# Altium PCB Thunderscope_Rev4.PCBDOC (part 1 of 7) (continued)
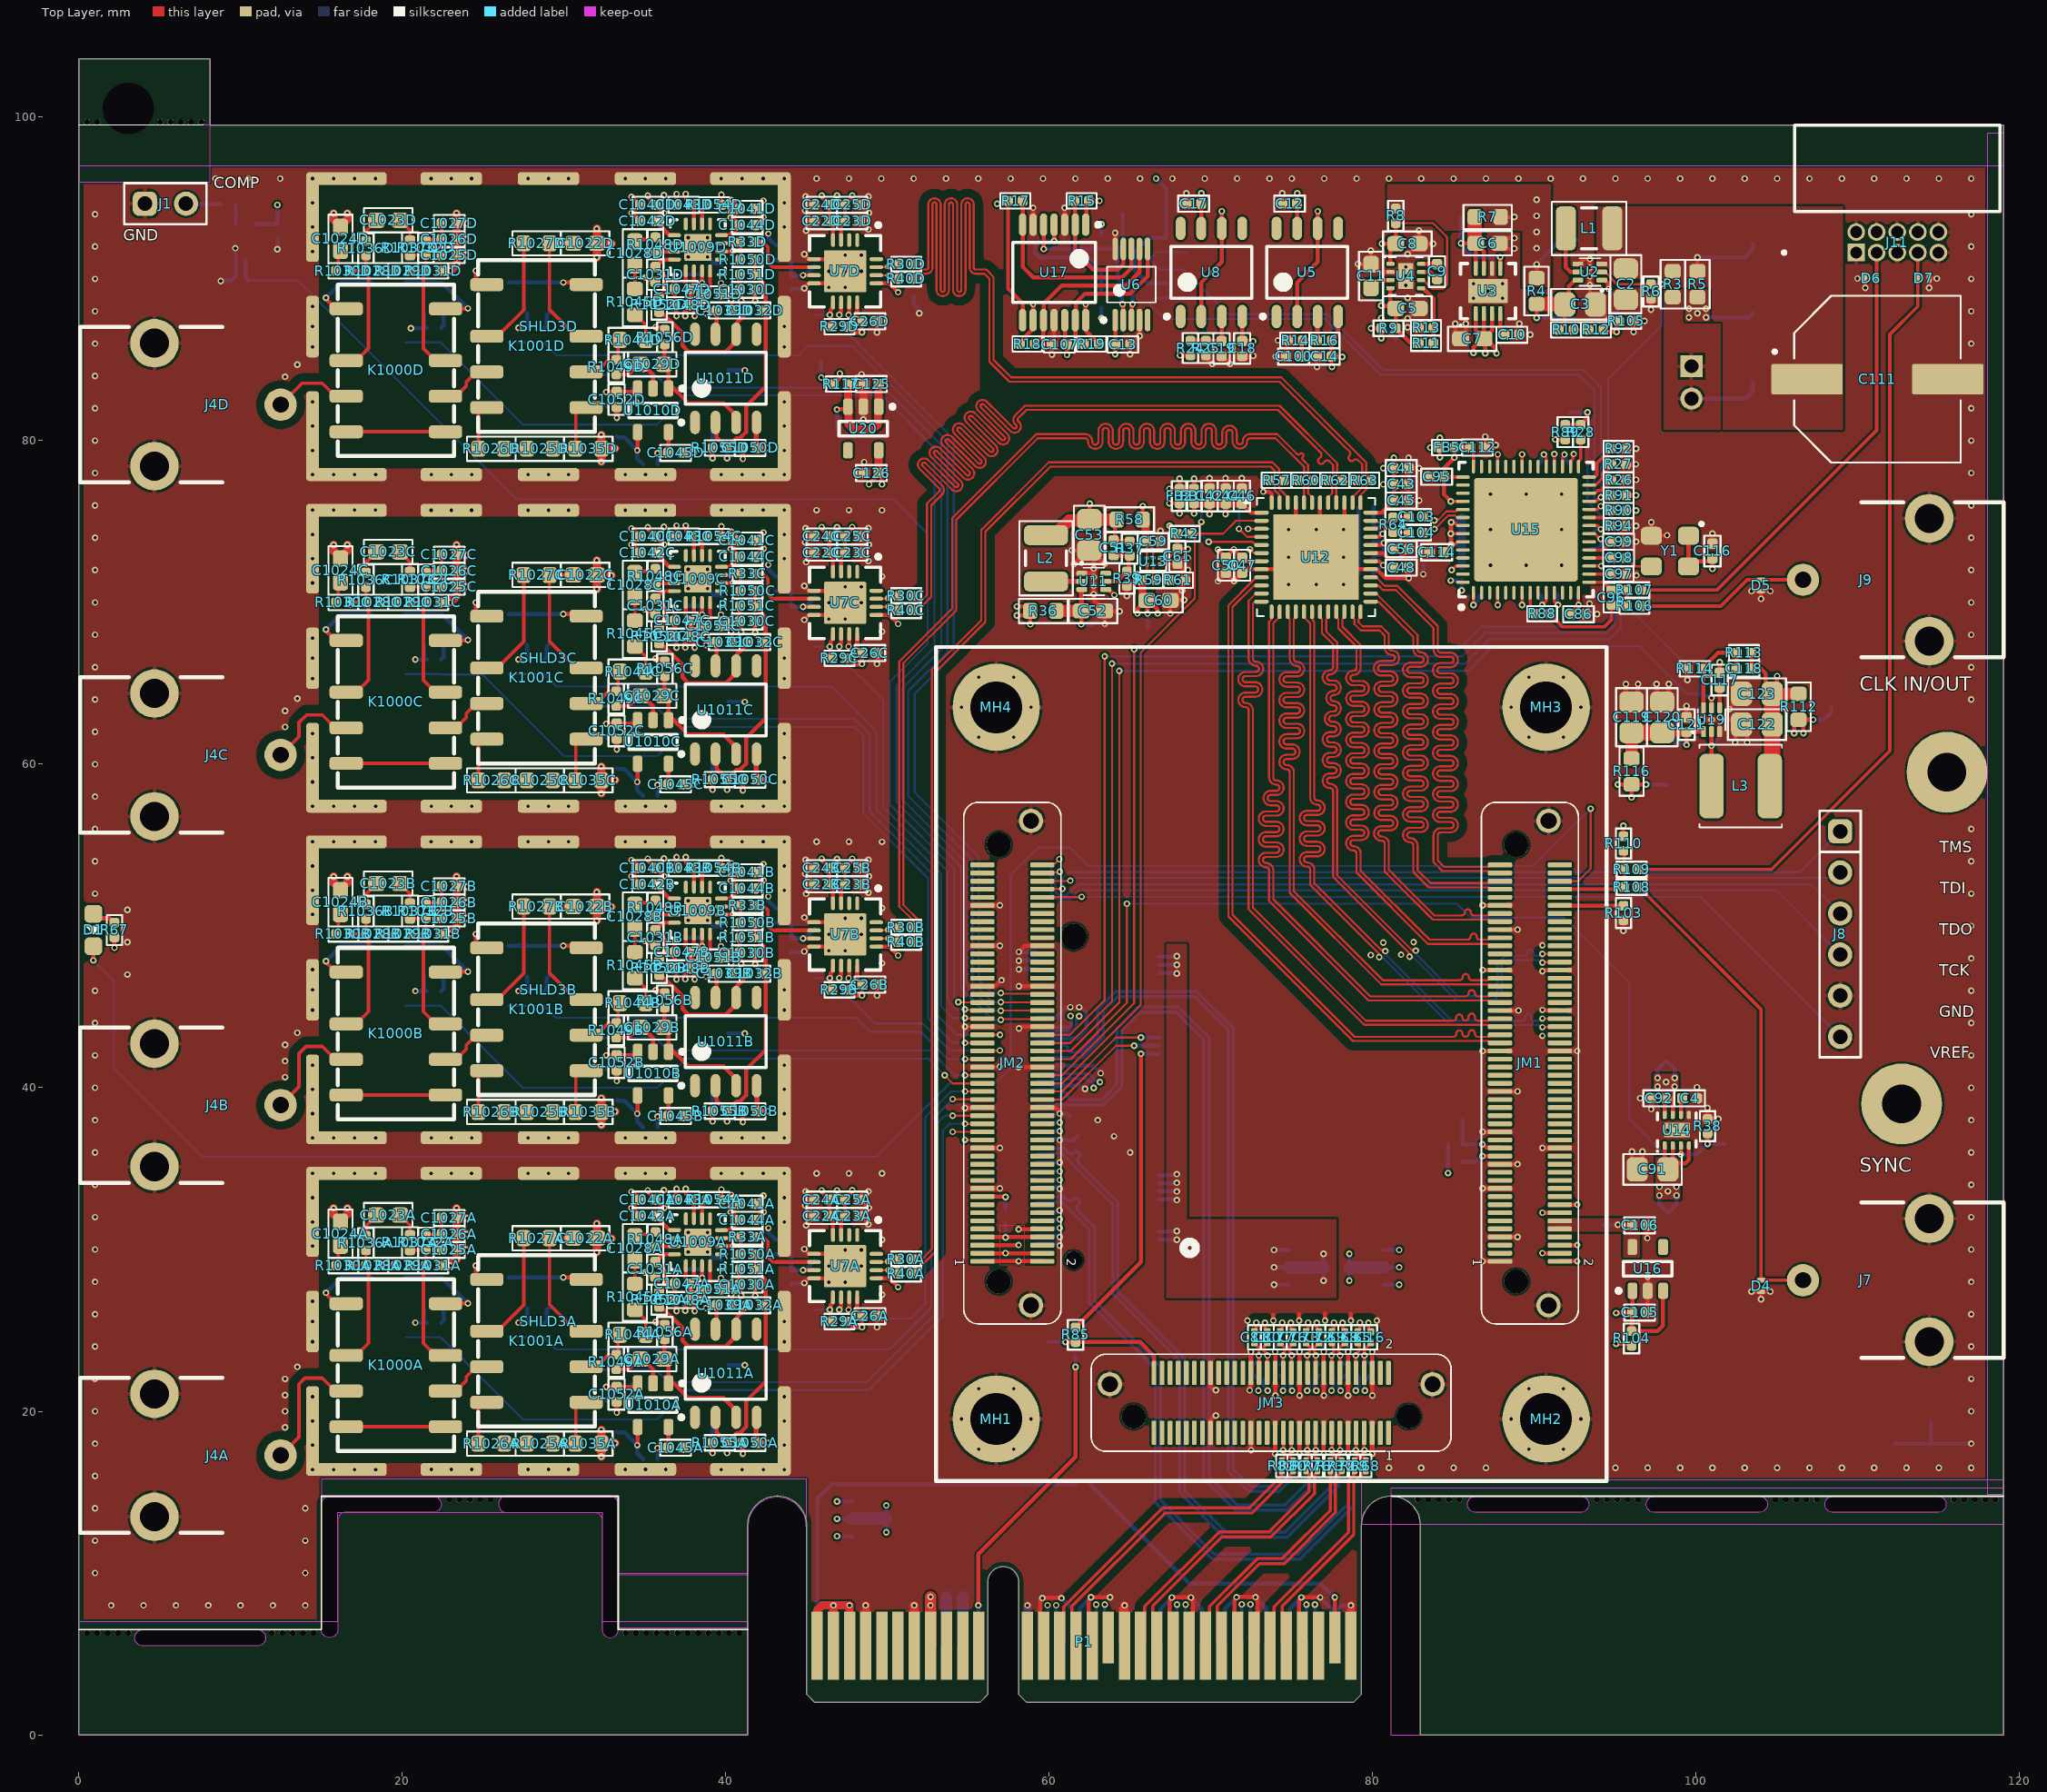
[diagram p0: Top Layer view]
## Classes and differential pairs
component class POWER: C2 C3 C4 C91 C92 C111 C117 C118 C119 C120 C121 C122 C123 J12 L1 L3 R3 R4 R5 R6 R10 R12 R38 R105 R112 R113 R114 R115 TP1 TP3 TP4 TP8 TP18 TP32 TP47 TP48 TP49 U2 U14 U19
net class 50Z: NetJ4A_1 NetJ4B_1 NetJ4C_1 NetJ4D_1
differential pair class 100Z_Diff: D1A D1B D2A D2B D3A D3B D4A D4B FCLK LCLK
differential pair class PCIe: M2_PER0 M2_PER1 M2_PER2 M2_PER3 M2_PET0 M2_PET1 M2_PET2 M2_PET3 M2_REFCLK MGT_CLK1 MGT_RX0 MGT_RX1 MGT_RX2 MGT_RX3 MGT_TX0 MGT_TX1 MGT_TX2 MGT_TX3 PCIe_PER0 PCIe_PER1 PCIe_PER2 PCIe_PER3 PCIe_PET0 PCIe_PET1 PCIe_PET2 PCIe_PET3 PCIe_REFCLK
net class TERM_[4..1]: TERM_1 TERM_2 TERM_3 TERM_4
differential pair class 100Z_Diff_PGA: CH1 CH2 CH3 CH4
channel class FE_Channel: CH1 CH2 CH3 CH4
net class PGA_CSn_[4..1]: PGA_CSn_1 PGA_CSn_2 PGA_CSn_3 PGA_CSn_4
net class DC_CPL_[4..1]: DC_CPL_1 DC_CPL_2 DC_CPL_3 DC_CPL_4
net class ATTEN_[4..1]: ATTEN_1 ATTEN_2 ATTEN_3 ATTEN_4
component class PLL: C82 C83 C84 C85 C86 C87 C88 C89 C90 C93 C94 C95 C96 C97 C98 C99 C112 C113 C114 C115 C116 FB5 R26 R27 R28 R88 R89 R90 R91 R92 R93 R94 R111 TP42 TP43 TP44 U15 Y1
component class PCIe_X4: P1 R86 R87 R116 TP40 TP41 TP50 TP51
component class M.2_Key_M: J10 R95 TP45 TP46
component class "Front End": C5 C6 C7 C8 C9 C10 C11 C12 C13 C14 C17 C18 C19 C100 C107 C125 C126 Q1 Q2 R7 R8 R9 R11 R13 R14 R15 R16 R17 R18 R19 R20 R21 R22 R23 R24 R25 R117 TP9 TP10 TP11 TP12 TP13 TP15 TP16 TP17 TP19 TP20 TP21 TP52 TP53 TP54 U3 U4 U5 U6 U8 U17 U20
component class "FPGA Module": C15 C16 C40 C62 C65 C66 C67 C68 C69 C70 C71 C72 C73 C74 C75 C76 C77 C79 C80 C81 C105 C106 D1 J8 JM1 JM2 JM3 MH1 MH2 MH3 MH4 R66 R67 R68 R69 R70 R71 R72 R73 R74 R75 R76 R77 R78 R79 R80 R81 R82 R83 R84 R85 R101 R102 R103 R104 TP2 TP14 TP30 TP31 TP39 U16
component class "Edge Connector": P1
component class CH4: C22D C23D C24D C25D C26D C102D C1022D C1023D C1024D C1025D C1026D C1027D C1028D C1029D C1030D C1031D C1032D C1039D C1040D C1041D C1042D C1043D C1044D C1045D C1046D C1047D C1048D C1049D C1050D C1051D C1052D D1000D D1001D J2D J3D J4D K1000D K1001D Q1002D Q1003D Q1004D R29D R30D R33D R40D R97D R98D R1025D R1026D R1027D R1028D R1029D R1030D R1031D R1032D R1035D R1036D R1037D R1038D R1039D R1040D R1041D R1044D R1045D R1046D R1048D R1049D R1050D R1051D R1052D R1054D R1055D R1056D R1057D R1059D R1060D R1061D R1062D SHLD3D TP23D TP26D TP1018D TP1019D TP1022D U7D U1009D U1010D U1011D
component class CH3: C22C C23C C24C C25C C26C C102C C1022C C1023C C1024C C1025C C1026C C1027C C1028C C1029C C1030C C1031C C1032C C1039C C1040C C1041C C1042C C1043C C1044C C1045C C1046C C1047C C1048C C1049C C1050C C1051C C1052C D1000C D1001C J2C J3C J4C K1000C K1001C Q1002C Q1003C Q1004C R29C R30C R33C R40C R97C R98C R1025C R1026C R1027C R1028C R1029C R1030C R1031C R1032C R1035C R1036C R1037C R1038C R1039C R1040C R1041C R1044C R1045C R1046C R1048C R1049C R1050C R1051C R1052C R1054C R1055C R1056C R1057C R1059C R1060C R1061C R1062C SHLD3C TP23C TP26C TP1018C TP1019C TP1022C U7C U1009C U1010C U1011C
component class CH2: C22B C23B C24B C25B C26B C102B C1022B C1023B C1024B C1025B C1026B C1027B C1028B C1029B C1030B C1031B C1032B C1039B C1040B C1041B C1042B C1043B C1044B C1045B C1046B C1047B C1048B C1049B C1050B C1051B C1052B D1000B D1001B J2B J3B J4B K1000B K1001B Q1002B Q1003B Q1004B R29B R30B R33B R40B R97B R98B R1025B R1026B R1027B R1028B R1029B R1030B R1031B R1032B R1035B R1036B R1037B R1038B R1039B R1040B R1041B R1044B R1045B R1046B R1048B R1049B R1050B R1051B R1052B R1054B R1055B R1056B R1057B R1059B R1060B R1061B R1062B SHLD3B TP23B TP26B TP1018B TP1019B TP1022B U7B U1009B U1010B U1011B
component class CH1: C22A C23A C24A C25A C26A C102A C1022A C1023A C1024A C1025A C1026A C1027A C1028A C1029A C1030A C1031A C1032A C1039A C1040A C1041A C1042A C1043A C1044A C1045A C1046A C1047A C1048A C1049A C1050A C1051A C1052A D1000A D1001A J2A J3A J4A K1000A K1001A Q1002A Q1003A Q1004A R29A R30A R33A R40A R97A R98A R1025A R1026A R1027A R1028A R1029A R1030A R1031A R1032A R1035A R1036A R1037A R1038A R1039A R1040A R1041A R1044A R1045A R1046A R1048A R1049A R1050A R1051A R1052A R1054A R1055A R1056A R1057A R1059A R1060A R1061A R1062A SHLD3A TP23A TP26A TP1018A TP1019A TP1022A U7A U1009A U1010A U1011A
component class ADC: C41 C42 C43 C44 C45 C46 C47 C48 C49 C50 C51 C52 C53 C54 C55 C56 C57 C58 C59 C60 C61 C103 C104 FB1 FB2 FB3 J5 J6 L2 R36 R37 R39 R42 R44 R46 R57 R58 R59 R60 R61 R62 R63 R64 TP27 TP28 TP29 TP34 TP35 TP36 TP37 TP38 U11 U12 U13
component class Main: C1 D4 D5 D6 D7 J1 J7 J9 J11 R1 R2 R106 R107 R108 R109 R110 TP5 TP6 TP7 TP33 U1
differential pair ADC_CLK_C: +ADC_CLK_C_P -ADC_CLK_C_N
differential pair PCIe_REFCLK: +PCIe_REFCLK_P -PCIe_REFCLK_N
differential pair PCIe_PET3: +PCIe_PET3_P -PCIe_PET3_N
differential pair PCIe_PET2: +PCIe_PET2_P -PCIe_PET2_N
differential pair PCIe_PET1: +PCIe_PET1_P -PCIe_PET1_N
differential pair PCIe_PET0: +PCIe_PET0_P -PCIe_PET0_N
differential pair PCIe_PER3: +PCIe_PER3_P -PCIe_PER3_N
differential pair PCIe_PER2: +PCIe_PER2_P -PCIe_PER2_N
differential pair PCIe_PER1: +PCIe_PER1_P -PCIe_PER1_N
differential pair PCIe_PER0: +PCIe_PER0_P -PCIe_PER0_N
differential pair OUT_RD: +OUT_RD_P -OUT_RD_N
differential pair OUT_RC: +OUT_RC_P -OUT_RC_N
differential pair OUT_RB: +OUT_RB_P -OUT_RB_N
differential pair OUT_RA: +OUT_RA_P -OUT_RA_N
differential pair MGT_TX3: +MGT_TX3_P -MGT_TX3_N
differential pair MGT_TX2: +MGT_TX2_P -MGT_TX2_N
differential pair MGT_TX1: +MGT_TX1_P -MGT_TX1_N
differential pair MGT_TX0: +MGT_TX0_P -MGT_TX0_N
differential pair MGT_RX3: +MGT_RX3_P -MGT_RX3_N
differential pair MGT_RX2: +MGT_RX2_P -MGT_RX2_N
differential pair MGT_RX1: +MGT_RX1_P -MGT_RX1_N
differential pair MGT_RX0: +MGT_RX0_P -MGT_RX0_N
differential pair MGT_CLK1: +MGT_CLK1_P -MGT_CLK1_N
differential pair M2_REFCLK: +M2_REFCLK_P -M2_REFCLK_N
differential pair M2_PET3: +M2_PET3_P -M2_PET3_N
differential pair M2_PET2: +M2_PET2_P -M2_PET2_N
differential pair M2_PET1: +M2_PET1_P -M2_PET1_N
differential pair M2_PET0: +M2_PET0_P -M2_PET0_N
differential pair M2_PER3: +M2_PER3_P -M2_PER3_N
differential pair M2_PER2: +M2_PER2_P -M2_PER2_N
differential pair M2_PER1: +M2_PER1_P -M2_PER1_N
differential pair M2_PER0: +M2_PER0_P -M2_PER0_N
differential pair LCLK: +LCLK_P -LCLK_N
differential pair FCLK: +FCLK_P -FCLK_N
differential pair D4B: +D4B_P -D4B_N
differential pair D4A: +D4A_P -D4A_N
differential pair D3B: +D3B_P -D3B_N
differential pair D3A: +D3A_P -D3A_N
differential pair D2B: +D2B_P -D2B_N
differential pair D2A: +D2A_P -D2A_N
differential pair D1B: +D1B_P -D1B_N
differential pair D1A: +D1A_P -D1A_N
differential pair CH4: +CH4_P -CH4_N
differential pair CH3: +CH3_P -CH3_N
differential pair CH2: +CH2_P -CH2_N
differential pair CH1: +CH1_P -CH1_N
differential pair ADC_CLK: +ADC_CLK_P -ADC_CLK_N

## Components (designator, comment, footprint, x,y, rotation, side; value= is the part's Value field where it differs from the comment)
C1 "100nF" GEN_C_0402 12.275,92.95 r270 bottom
C2 "22uF" GEN_C_0805 95.65,89.675 r90 top
C3 "22uF" GEN_C_0805 92.825,88.425 r180 top
C4 "1nF" GEN_C_0402 99.59,39.35 r180 top
C5 "10uF" GEN_C_0603 82.141,88.176 r180 top
C6 "10uF" GEN_C_0603 87.095,92.2 r180 top
C7 "10uF" GEN_C_0603 86.15,86.3 r0 top
C8 "10uF" GEN_C_0603 82.141,92.176 r180 top
C9 "1uF" GEN_C_0402 83.975,90.45 r90 top
C10 "1nF" GEN_C_0402 88.6,86.55 r180 top
C11 "10uF" GEN_C_0603 79.891,90.176 r270 top
C12 "100nF" GEN_C_0402 74.855,94.65 r180 top
C13 "100nF" GEN_C_0402 64.55,85.95 r180 top
C14 "100nF" GEN_C_0402 77.005,85.2 r0 top
C15 "100nF" GEN_C_0201 79.075,22.55 r90 bottom
C16 "100nF" GEN_C_0201 79.875,24.575 r270 top
C17 "100nF" GEN_C_0402 68.925,94.65 r180 top
C18 "100nF" GEN_C_0402 71.925,85.7 r90 top
C19 "100nF" GEN_C_0402 70.65,85.7 r90 top
C22A "1nF" GEN_C_0402 45.925,32.075 r0 top (schematic designator C22)
C22B "1nF" GEN_C_0402 45.925,52.575 r0 top (schematic designator C22)
C22C "1nF" GEN_C_0402 45.925,73.075 r0 top (schematic designator C22)
C22D "1nF" GEN_C_0402 45.925,93.575 r0 top (schematic designator C22)
C23A "10nF" GEN_C_0402 47.825,32.075 r180 top (schematic designator C23)
C23B "10nF" GEN_C_0402 47.825,52.575 r180 top (schematic designator C23)
C23C "10nF" GEN_C_0402 47.825,73.075 r180 top (schematic designator C23)
C23D "10nF" GEN_C_0402 47.825,93.575 r180 top (schematic designator C23)
C24A "100nF" GEN_C_0402 45.925,33.075 r0 top (schematic designator C24)
C24B "100nF" GEN_C_0402 45.925,53.575 r0 top (schematic designator C24)
C24C "100nF" GEN_C_0402 45.925,74.075 r0 top (schematic designator C24)
C24D "100nF" GEN_C_0402 45.925,94.575 r0 top (schematic designator C24)
C25A "1uF" GEN_C_0402 47.825,33.075 r180 top (schematic designator C25)
C25B "1uF" GEN_C_0402 47.825,53.575 r180 top (schematic designator C25)
C25C "1uF" GEN_C_0402 47.825,74.075 r180 top (schematic designator C25)
C25D "1uF" GEN_C_0402 47.825,94.575 r180 top (schematic designator C25)
C26A "100nF" GEN_C_0402 48.9,25.875 r180 top (schematic designator C26)
C26B "100nF" GEN_C_0402 48.9,46.375 r180 top (schematic designator C26)
C26C "100nF" GEN_C_0402 48.9,66.875 r180 top (schematic designator C26)
C26D "100nF" GEN_C_0402 48.9,87.375 r180 top (schematic designator C26)
C40 "100nF" GEN_C_0201 73.475,22.55 r90 bottom
C41 "1uF" GEN_C_0402 81.757,78.3 r180 top
C42 "1uF" GEN_C_0402 69.907,76.577 r270 top
C43 "10nF" GEN_C_0402 81.757,77.3 r180 top
C44 "10nF" GEN_C_0402 70.907,76.577 r270 top
C45 "1nF" GEN_C_0402 81.757,76.3 r180 top
C46 "1nF" GEN_C_0402 71.907,76.577 r270 top
C47 "10nF" GEN_C_0402 71.925,72.3 r90 top
C48 "10nF" GEN_C_0402 81.757,72.15 r180 top
C49 "1uF" GEN_C_0402 79.575,71.775 r0 bottom
C50 "1uF" GEN_C_0402 70.925,72.3 r90 top
C51 "39pF" GEN_C_0402 63.975,73.375 r90 top
C52 "10uF" GEN_C_0603 62.7,69.475 r180 top
C53 "22uF" GEN_C_0805 62.475,74.175 r90 top
C54 "1uF" GEN_C_0402 79.575,73.775 r0 bottom
C55 "10nF" GEN_C_0402 79.575,72.775 r0 bottom
C56 "1nF" GEN_C_0402 81.757,73.3 r180 top
C57 "10nF" GEN_C_0402 79.575,74.825 r0 bottom
C58 "1uF" GEN_C_0402 79.575,75.875 r0 bottom
C59 "100nF" GEN_C_0402 66.425,73.775 r180 top
C60 "10uF" GEN_C_0603 66.75,70.125 r180 top
C61 "2.2uF" GEN_C_0402 67.925,72.85 r90 top
C62 "100nF" GEN_C_0201 79.875,22.55 r90 bottom
C65 "100nF" GEN_C_0201 79.075,24.575 r270 top
C66 "100nF" GEN_C_0201 78.275,22.55 r90 bottom
C67 "100nF" GEN_C_0201 77.475,22.55 r90 bottom
C68 "100nF" GEN_C_0201 78.275,24.575 r270 top
C69 "100nF" GEN_C_0201 77.475,24.575 r270 top
C70 "100nF" GEN_C_0201 76.675,22.55 r90 bottom
C71 "100nF" GEN_C_0201 75.875,22.55 r90 bottom
C72 "100nF" GEN_C_0201 76.675,24.575 r270 top
C73 "100nF" GEN_C_0201 75.875,24.575 r270 top
C74 "100nF" GEN_C_0201 75.075,22.55 r90 bottom
C75 "100nF" GEN_C_0201 74.275,22.55 r90 bottom
C76 "100nF" GEN_C_0201 75.075,24.575 r270 top
C77 "100nF" GEN_C_0201 74.275,24.575 r270 top
C79 "100nF" GEN_C_0201 72.675,22.55 r90 bottom
C80 "100nF" GEN_C_0201 73.475,24.575 r270 top
C81 "100nF" GEN_C_0201 72.675,24.575 r270 top
C82 "1uF" GEN_C_0402 85.975,75.25 r0 bottom
C83 "1uF" GEN_C_0402 87.725,78.025 r270 bottom
C84 "1uF" GEN_C_0402 90.225,78.05 r270 bottom
C85 "1uF" GEN_C_0402 92.225,78.05 r270 bottom
C86 "1uF" GEN_C_0402 92.725,69.275 r0 top
C87 "1uF" GEN_C_0402 90.325,70.975 r90 bottom
C88 "1uF" GEN_C_0402 91.225,78.05 r270 bottom
C89 "1uF" GEN_C_0402 87.725,70.975 r90 bottom
C90 "1uF" GEN_C_0402 86.725,70.975 r90 bottom
C91 "22uF" GEN_C_0805 97.3,34.95 r0 top
C92 "1uF" GEN_C_0402 97.675,39.35 r0 top
C93 "1uF" GEN_C_0402 91.325,70.975 r90 bottom
C94 "1uF" GEN_C_0402 93,72.25 r180 bottom
C95 "1uF" GEN_C_0402 83.95,77.775 r180 top
C96 "0" GEN_R_0402 94.75,70.3 r270 top
C97 "0" GEN_R_0402 95.2,71.75 r0 top
C98 "100nF" GEN_C_0402 95.2,72.75 r0 top
C99 "100nF" GEN_C_0402 95.2,73.75 r0 top
C100 "100nF" GEN_C_0402 75.1,85.2 r0 top
C102A "100nF" GEN_C_0402 44.025,28.275 r270 bottom (schematic designator C102)
C102B "100nF" GEN_C_0402 44.025,48.775 r270 bottom (schematic designator C102)
C102C "100nF" GEN_C_0402 44.025,69.275 r270 bottom (schematic designator C102)
C102D "100nF" GEN_C_0402 44.025,89.75 r270 bottom (schematic designator C102)
C103 "0" GEN_R_0402 82.675,75.3 r0 top
C104 "0" GEN_R_0402 82.675,74.3 r0 top
C105 "1uF" GEN_C_0402 96.5,26.1 r180 top
C106 "1uF" GEN_C_0402 96.5,31.5 r180 top
C107 "100nF" GEN_C_0402 60.625,85.95 r0 top
C111 "1000uF" GEN_C_POLAR_10mm 111.2,83.8 r0 top
C112 "1uF" GEN_C_0402 86.475,79.575 r0 top
C113 "1uF" GEN_C_0402 89.225,70.975 r90 bottom
C114 "1uF" GEN_C_0402 83.95,73.1 r180 top
C115 "1uF" GEN_C_0402 85.975,74.25 r0 bottom
C116 "1uF" GEN_C_0402 101,73.175 r90 top
C117 "100nF" GEN_C_0402 101.45,65.2 r270 top
C118 "10pF" GEN_C_0402 102.95,65.9 r0 top
C119 "22uF" GEN_C_0805 96,62.9 r270 top
C120 "22uF" GEN_C_0805 97.9,62.9 r270 top
C121 "100nF" GEN_C_0402 99.4,62.45 r90 top
C122 "22uF" GEN_C_0805 103.75,62.45 r0 top
C123 "22uF" GEN_C_0805 103.75,64.35 r0 top
C125 "1uF" GEN_C_0402 49,83.5 r0 top
C126 "1uF" GEN_C_0402 49,78 r0 top
C1022A "6pF" GEN_C_0603 31.3,30.7 r0 top (schematic designator C1022)
C1022B "6pF" GEN_C_0603 31.3,51.2 r0 top (schematic designator C1022)
C1022C "6pF" GEN_C_0603 31.3,71.7 r0 top (schematic designator C1022)
C1022D "6pF" GEN_C_0603 31.3,92.2 r0 top (schematic designator C1022)
C1023A "6pF" GEN_C_0603 19.125,32.125 r180 top (schematic designator C1023)
C1023B "6pF" GEN_C_0603 19.125,52.625 r180 top (schematic designator C1023)
C1023C "6pF" GEN_C_0603 19.125,73.125 r180 top (schematic designator C1023)
C1023D "6pF" GEN_C_0603 19.125,93.625 r180 top (schematic designator C1023)
C1024A "6pF" GEN_C_0603 16.175,30.975 r270 top (schematic designator C1024)
C1024B "6pF" GEN_C_0603 16.175,51.475 r270 top (schematic designator C1024)
C1024C "6pF" GEN_C_0603 16.175,71.975 r270 top (schematic designator C1024)
C1024D "6pF" GEN_C_0603 16.175,92.475 r270 top (schematic designator C1024)
C1025A "100pF" GEN_C_0402 22.9,29.975 r180 top (schematic designator C1025)
C1025B "100pF" GEN_C_0402 22.9,50.475 r180 top (schematic designator C1025)
C1025C "100pF" GEN_C_0402 22.9,70.975 r180 top (schematic designator C1025)
C1025D "100pF" GEN_C_0402 22.9,91.475 r180 top (schematic designator C1025)
C1026A "100pF" GEN_C_0402 22.9,30.95 r180 top (schematic designator C1026)
C1026B "100pF" GEN_C_0402 22.9,51.45 r180 top (schematic designator C1026)
C1026C "100pF" GEN_C_0402 22.9,71.95 r180 top (schematic designator C1026)
C1026D "100pF" GEN_C_0402 22.9,92.45 r180 top (schematic designator C1026)
C1027A "100pF" GEN_C_0402 22.9,31.95 r180 top (schematic designator C1027)
C1027B "100pF" GEN_C_0402 22.9,52.45 r180 top (schematic designator C1027)
C1027C "100pF" GEN_C_0402 22.9,72.95 r180 top (schematic designator C1027)
C1027D "100pF" GEN_C_0402 22.9,93.45 r180 top (schematic designator C1027)
C1028A "22nF" GEN_C_0603 34.375,30.075 r270 top (schematic designator C1028)
C1028B "22nF" GEN_C_0603 34.375,50.575 r270 top (schematic designator C1028)
C1028C "22nF" GEN_C_0603 34.375,71.075 r270 top (schematic designator C1028)
C1028D "22nF" GEN_C_0603 34.375,91.575 r270 top (schematic designator C1028)
C1029A "22nF" GEN_C_0603 35.45,23.225 r0 top (schematic designator C1029)
C1029B "22nF" GEN_C_0603 35.45,43.725 r0 top (schematic designator C1029)
C1029C "22nF" GEN_C_0603 35.45,64.225 r0 top (schematic designator C1029)
C1029D "22nF" GEN_C_0603 35.45,84.725 r0 top (schematic designator C1029)
C1030A "100nF" GEN_C_0402 41.325,27.825 r0 top (schematic designator C1030)
C1030B "100nF" GEN_C_0402 41.325,48.325 r0 top (schematic designator C1030)
C1030C "100nF" GEN_C_0402 41.325,68.825 r0 top (schematic designator C1030)
C1030D "100nF" GEN_C_0402 41.325,89.325 r0 top (schematic designator C1030)
C1031A "100pF" GEN_C_0402 35.65,28.775 r90 top (schematic designator C1031)
C1031B "100pF" GEN_C_0402 35.65,49.275 r90 top (schematic designator C1031)
C1031C "100pF" GEN_C_0402 35.65,69.775 r90 top (schematic designator C1031)
C1031D "100pF" GEN_C_0402 35.65,90.275 r90 top (schematic designator C1031)
C1032A "100pF" GEN_C_0402 41.8,26.55 r0 top (schematic designator C1032)
C1032B "100pF" GEN_C_0402 41.8,47.05 r0 top (schematic designator C1032)
C1032C "100pF" GEN_C_0402 41.8,67.55 r0 top (schematic designator C1032)
C1032D "100pF" GEN_C_0402 41.8,88.05 r0 top (schematic designator C1032)
C1039A "2.2uF" GEN_C_0402 39.9,26.55 r180 top (schematic designator C1039)
C1039B "2.2uF" GEN_C_0402 39.9,47.05 r180 top (schematic designator C1039)
C1039C "2.2uF" GEN_C_0402 39.9,67.55 r180 top (schematic designator C1039)
C1039D "2.2uF" GEN_C_0402 39.9,88.05 r180 top (schematic designator C1039)
C1040A "100nF" GEN_C_0402 35.175,33.075 r180 top (schematic designator C1040)
C1040B "100nF" GEN_C_0402 35.175,53.575 r180 top (schematic designator C1040)
C1040C "100nF" GEN_C_0402 35.175,74.075 r180 top (schematic designator C1040)
C1040D "100nF" GEN_C_0402 35.175,94.575 r180 top (schematic designator C1040)
C1041A "100nF" GEN_C_0402 41.325,32.825 r0 top (schematic designator C1041)
C1041B "100nF" GEN_C_0402 41.325,53.325 r0 top (schematic designator C1041)
C1041C "100nF" GEN_C_0402 41.325,73.825 r0 top (schematic designator C1041)
C1041D "100nF" GEN_C_0402 41.325,94.325 r0 top (schematic designator C1041)
C1042A "100nF" GEN_C_0402 35.175,32.075 r180 top (schematic designator C1042)
C1042B "100nF" GEN_C_0402 35.175,52.575 r180 top (schematic designator C1042)
C1042C "100nF" GEN_C_0402 35.175,73.075 r180 top (schematic designator C1042)
C1042D "100nF" GEN_C_0402 35.175,93.575 r180 top (schematic designator C1042)
C1043A "100nF" GEN_C_0402 37.4,33.075 r0 top (schematic designator C1043)
C1043B "100nF" GEN_C_0402 37.4,53.575 r0 top (schematic designator C1043)
C1043C "100nF" GEN_C_0402 37.4,74.075 r0 top (schematic designator C1043)
C1043D "100nF" GEN_C_0402 37.4,94.575 r0 top (schematic designator C1043)
C1044A "100nF" GEN_C_0402 41.325,31.825 r180 top (schematic designator C1044)
C1044B "100nF" GEN_C_0402 41.325,52.325 r180 top (schematic designator C1044)
C1044C "100nF" GEN_C_0402 41.325,72.825 r180 top (schematic designator C1044)
C1044D "100nF" GEN_C_0402 41.325,93.325 r180 top (schematic designator C1044)
C1045A "100nF" GEN_C_0402 36.9,17.75 r180 top (schematic designator C1045)
C1045B "100nF" GEN_C_0402 36.9,38.25 r180 top (schematic designator C1045)
C1045C "100nF" GEN_C_0402 36.9,58.75 r180 top (schematic designator C1045)
C1045D "100nF" GEN_C_0402 36.9,79.25 r180 top (schematic designator C1045)
C1046A "2.2uF" GEN_C_0402 37.3,26.875 r0 bottom (schematic designator C1046)
C1046B "2.2uF" GEN_C_0402 37.3,47.375 r0 bottom (schematic designator C1046)
C1046C "2.2uF" GEN_C_0402 37.3,67.875 r0 bottom (schematic designator C1046)
C1046D "2.2uF" GEN_C_0402 37.3,88.375 r0 bottom (schematic designator C1046)
C1047A "100nF" GEN_C_0402 37.3,27.875 r0 top (schematic designator C1047)
C1047B "100nF" GEN_C_0402 37.3,48.375 r0 top (schematic designator C1047)
C1047C "100nF" GEN_C_0402 37.3,68.875 r0 top (schematic designator C1047)
C1047D "100nF" GEN_C_0402 37.3,89.375 r0 top (schematic designator C1047)
C1048A "100nF" GEN_C_0402 37.3,26.875 r180 top (schematic designator C1048)
C1048B "100nF" GEN_C_0402 37.3,47.375 r180 top (schematic designator C1048)
C1048C "100nF" GEN_C_0402 37.3,67.875 r180 top (schematic designator C1048)
C1048D "100nF" GEN_C_0402 37.3,88.375 r180 top (schematic designator C1048)
C1049A "100nF" GEN_C_0402 39.725,29.825 r270 bottom (schematic designator C1049)
C1049B "100nF" GEN_C_0402 39.725,50.325 r270 bottom (schematic designator C1049)
C1049C "100nF" GEN_C_0402 39.725,70.825 r270 bottom (schematic designator C1049)
C1049D "100nF" GEN_C_0402 39.725,91.325 r270 bottom (schematic designator C1049)
C1050A "100nF" GEN_C_0402 41.5,18.05 r180 top (schematic designator C1050)
C1050B "100nF" GEN_C_0402 41.5,38.55 r180 top (schematic designator C1050)
C1050C "100nF" GEN_C_0402 41.5,59.05 r180 top (schematic designator C1050)
C1050D "100nF" GEN_C_0402 41.5,79.55 r180 top (schematic designator C1050)
C1051A "100nF" GEN_C_0402 39.225,27.55 r180 top (schematic designator C1051)
C1051B "100nF" GEN_C_0402 39.225,48.05 r180 top (schematic designator C1051)
C1051C "100nF" GEN_C_0402 39.225,68.55 r180 top (schematic designator C1051)
C1051D "100nF" GEN_C_0402 39.225,89.05 r180 top (schematic designator C1051)
C1052A "100nF" GEN_C_0402 33.25,21.05 r90 top (schematic designator C1052)
C1052B "100nF" GEN_C_0402 33.25,41.55 r90 top (schematic designator C1052)
C1052C "100nF" GEN_C_0402 33.25,62.05 r90 top (schematic designator C1052)
C1052D "100nF" GEN_C_0402 33.25,82.55 r90 top (schematic designator C1052)
D1 "GREEN" LED_0603_LTST-S270K 0.9,49.75 r90 top
D4 "TPD1E1B04" TI_X1SON_DPY0002A 104,27.75 r270 top
D5 "TPD1E1B04" TI_X1SON_DPY0002A 104,71.05 r270 top
D6 "TPD1E1B04" TI_X1SON_DPY0002A 110.8,90.025 r180 top
D7 "TPD1E1B04" TI_X1SON_DPY0002A 114.05,90.025 r0 top
D1000A "1N4148" GEN_SOD_323 19.125,28.275 r0 bottom (schematic designator D1000)
D1000B "1N4148" GEN_SOD_323 19.125,48.775 r0 bottom (schematic designator D1000)
D1000C "1N4148" GEN_SOD_323 19.125,69.275 r0 bottom (schematic designator D1000)
D1000D "1N4148" GEN_SOD_323 19.125,89.775 r0 bottom (schematic designator D1000)
D1001A "1N4148" GEN_SOD_323 25.5,28.275 r0 bottom (schematic designator D1001)
D1001B "1N4148" GEN_SOD_323 25.5,48.775 r0 bottom (schematic designator D1001)
D1001C "1N4148" GEN_SOD_323 25.5,69.275 r0 bottom (schematic designator D1001)
D1001D "1N4148" GEN_SOD_323 25.5,89.775 r0 bottom (schematic designator D1001)
FB1 "120@100MHZ" GEN_R_0402 68.95,76.575 r270 top
FB2 "120@100MHZ" GEN_R_0402 68.05,76.575 r270 top
FB3 "120@100MHZ" GEN_R_0402 85.5,71.825 r90 bottom
FB5 "120@100MHZ" GEN_R_0402 84.6,79.575 r0 top
J1 "TSW-101-08-F-D-RA" GEN_2.54mm_1x2_Pin_TH_RA 5.35,94.65 r0 top
J2A "UFL" TE_2334884-1 50.65,27.45 r0 bottom (schematic designator J2)
J2B "UFL" TE_2334884-1 50.65,47.95 r0 bottom (schematic designator J2)
J2C "UFL" TE_2334884-1 50.65,68.45 r0 bottom (schematic designator J2)
J2D "UFL" TE_2334884-1 50.65,88.95 r0 bottom (schematic designator J2)
J3A "UFL" TE_2334884-1 50.631,30.416 r180 bottom (schematic designator J3)
J3B "UFL" TE_2334884-1 50.631,50.916 r180 bottom (schematic designator J3)
J3C "UFL" TE_2334884-1 50.631,71.416 r180 bottom (schematic designator J3)
J3D "UFL" TE_2334884-1 50.631,91.916 r180 bottom (schematic designator J3)
J4A "BNC" MOL_0731000105 8.575,17.275 r90 top locked (schematic designator J4)
J4B "BNC" MOL_0731000105 8.575,38.925 r90 top locked (schematic designator J4)
J4C "BNC" MOL_0731000105 8.575,60.575 r90 top locked (schematic designator J4)
J4D "BNC" MOL_0731000105 8.575,82.225 r90 top locked (schematic designator J4)
J5 "UFL" TE_2334884-1 83.125,73.325 r0 bottom
J6 "UFL" TE_2334884-1 83.125,76.275 r180 bottom
J7 "BNC" MOL_0731000105 110.5,28.1 r270 top locked
J8 "2.54mm 6 Pin TH" GEN_2.54mm_6_Pin_TH_RA 108.9,49.5 r270 top
J9 "BNC" MOL_0731000105 110.5,71.4 r270 top locked
J10 "CONN M.2 Key M FEMALE" TE_M2_KEYM_2199230 63,39.35 r90 bottom locked
J11 "1.27mm 6 Pin TH" GEN_1.27mm_2x5_Pin_TH_RA 112.43,92.265 r0 top
J12 "B2B-PH-K-S(LF)(SN)" JST_B2B-PH-K-S(LF)(SN) 100.25,83.6 r90 bottom
JM1 "LSHM-150-02.5-L-DV-A-S-K-TR" SAM_LSHM-150-XX.X-XX-DV-A-S 89.717,41.521 r270 top locked
JM2 "LSHM-150-02.5-L-DV-A-S-K-TR" SAM_LSHM-150-XX.X-XX-DV-A-S 57.717,41.521 r270 top locked
JM3 "LSHM-130-02.5-L-DV-A-S-K-TR" SAM_LSHM-130-XX.X-XX-DV-A-S 73.718,20.522 r0 top locked
K1000A "FTR-B3SA" FUJ_FTR-B3SA 19.6,22.85 r270 top (schematic designator K1000)
K1000B "FTR-B3SA" FUJ_FTR-B3SA 19.6,43.35 r270 top (schematic designator K1000)
K1000C "FTR-B3SA" FUJ_FTR-B3SA 19.6,63.85 r270 top (schematic designator K1000)
K1000D "FTR-B3SA" FUJ_FTR-B3SA 19.6,84.35 r270 top (schematic designator K1000)
K1001A "FTR-B3SA" FUJ_FTR-B3SA 28.295,24.35 r270 top (schematic designator K1001)
K1001B "FTR-B3SA" FUJ_FTR-B3SA 28.295,44.85 r270 top (schematic designator K1001)
K1001C "FTR-B3SA" FUJ_FTR-B3SA 28.295,65.35 r270 top (schematic designator K1001)
K1001D "FTR-B3SA" FUJ_FTR-B3SA 28.295,85.85 r270 top (schematic designator K1001)
L1 "1uH" GEN_L_1210 93.375,93.125 r180 top
L2 "1uH" GEN_L_1210 59.8,72.725 r90 top
L3 "4.7uH" TY_IND_NRS5030 102.75,58.65 r0 top
MH1 "M3" "MH M3" 56.717,19.521 r0 top locked
MH2 "M3" "MH M3" 90.717,19.521 r0 top locked
MH3 "M3" "MH M3" 90.717,63.521 r0 top locked
MH4 "M3" "MH M3" 56.717,63.521 r0 top locked
P1 "PCIeX4-GF-2D-1000-1K-O64" PCIeX4-GF-2D-1000-1K-O64 55.15,5.5 r0 top locked
Q1 "DMN62D0UW" GEN_SOT_323 65.175,91.85 r270 bottom
Q2 "DMN62D0UW" GEN_SOT_323 65.175,89.1 r270 bottom
Q1002A "DMN62D0UW" GEN_SOT_323 22,27.325 r180 bottom (schematic designator Q1002)
Q1002B "DMN62D0UW" GEN_SOT_323 22,47.825 r180 bottom (schematic designator Q1002)
Q1002C "DMN62D0UW" GEN_SOT_323 22,68.325 r180 bottom (schematic designator Q1002)
Q1002D "DMN62D0UW" GEN_SOT_323 22,88.825 r180 bottom (schematic designator Q1002)
Q1003A "DMN62D0UW" GEN_SOT_323 28.375,27.325 r180 bottom (schematic designator Q1003)
Q1003B "DMN62D0UW" GEN_SOT_323 28.375,47.825 r180 bottom (schematic designator Q1003)
Q1003C "DMN62D0UW" GEN_SOT_323 28.375,68.325 r180 bottom (schematic designator Q1003)
Q1003D "DMN62D0UW" GEN_SOT_323 28.375,88.825 r180 bottom (schematic designator Q1003)
Q1004A "DMN62D0UW" GEN_SOT_323 33.275,19.7 r0 bottom (schematic designator Q1004)
Q1004B "DMN62D0UW" GEN_SOT_323 33.275,40.2 r0 bottom (schematic designator Q1004)
Q1004C "DMN62D0UW" GEN_SOT_323 33.275,60.7 r0 bottom (schematic designator Q1004)
Q1004D "DMN62D0UW" GEN_SOT_323 33.275,81.2 r0 bottom (schematic designator Q1004)
R1 "0" GEN_R_0402 9.225,94.6 r0 bottom
R2 "10K" GEN_R_0402 9.875,89.9 r0 bottom
R3 "0.01" GEN_R_0603 98.55,89.675 r270 top
R4 "0.01" GEN_R_0603 90.125,89.25 r90 top
R5 "0.01" GEN_R_0603 100.075,89.675 r270 top
R6 "10K" GEN_R_0402 97.2,89.225 r270 top
R7 "0.01" GEN_R_0603 87.105,93.825 r180 top
R8 "0.1" GEN_R_0402 81.425,93.9 r270 top
R9 "0.1" GEN_R_0402 80.975,86.95 r180 top
R10 "680K" GEN_R_0402 91.95,86.85 r180 top
R11 "309K" GEN_R_0402 83.291,86.026 r180 top
R12 "90.9k" GEN_R_0402 93.8,86.85 r180 top
R13 "100k" GEN_R_0402 83.291,86.976 r0 top
R14 "10K" GEN_R_0402 75.215,86.2 r180 top
R15 "2K" GEN_R_0402 62,94.825 r180 top
R16 "10K" GEN_R_0402 77.015,86.2 r180 top
R17 "2K" GEN_R_0402 57.9,94.825 r0 top
R18 "2K" GEN_R_0402 58.65,85.975 r0 top
R19 "2K" GEN_R_0402 62.6,85.975 r180 top
R20 "10K" GEN_R_0402 67.2,92.1 r90 bottom
R21 "10K" GEN_R_0402 67.2,89.25 r90 bottom
R22 "10K" GEN_R_0402 63.225,92.3 r90 bottom
R23 "10K" GEN_R_0402 63.225,88.65 r270 bottom
R24 "10K" GEN_R_0402 68.725,85.725 r270 top
R25 "10K" GEN_R_0402 69.675,85.725 r90 top
R26 "1K" GEN_R_0402 95.2,77.575 r180 top
R27 "1K" GEN_R_0402 95.195,78.536 r180 top
R28 "1K" GEN_R_0402 92.85,80.525 r90 top
R29A "10K" GEN_R_0402 47.025,25.55 r0 top (schematic designator R29)
R29B "10K" GEN_R_0402 47.025,46.05 r0 top (schematic designator R29)
R29C "10K" GEN_R_0402 47.025,66.55 r0 top (schematic designator R29)
R29D "10K" GEN_R_0402 47.025,87.05 r0 top (schematic designator R29)
R30A "0" GEN_R_0402 51.15,29.4 r0 top (schematic designator R30)
R30B "0" GEN_R_0402 51.15,49.9 r0 top (schematic designator R30)
R30C "0" GEN_R_0402 51.15,70.4 r0 top (schematic designator R30)
R30D "0" GEN_R_0402 51.15,90.9 r0 top (schematic designator R30)
R33A "49.9" GEN_R_0402 41.35,30.775 r0 top (schematic designator R33)
R33B "49.9" GEN_R_0402 41.35,51.275 r0 top (schematic designator R33)
R33C "49.9" GEN_R_0402 41.35,71.775 r0 top (schematic designator R33)
R33D "49.9" GEN_R_0402 41.35,92.275 r0 top (schematic designator R33)
R36 "0.01" GEN_R_0603 59.625,69.475 r0 top
R37 "220K" GEN_R_0402 64.975,73.325 r90 top
R38 "10K" GEN_R_0402 100.7,37.625 r270 top
R39 "100k" GEN_R_0402 64.8,71.475 r90 top
R40A "0" GEN_R_0402 51.15,28.5 r0 top (schematic designator R40)
R40B "0" GEN_R_0402 51.15,49 r0 top (schematic designator R40)
R40C "0" GEN_R_0402 51.15,69.5 r0 top (schematic designator R40)
R40D "0" GEN_R_0402 51.15,90 r0 top (schematic designator R40)
R42 "10K" GEN_R_0402 68.375,74.25 r180 top
R44 "10K" GEN_R_0402 68.375,74.25 r180 bottom
R46 "10K" GEN_R_0402 71.925,72.3 r270 bottom
R57 "100" GEN_R_0402 74.068,77.55 r180 top
R58 "0.01" GEN_R_0603 64.975,75.125 r0 top
R59 "261K" GEN_R_0402 66.15,71.375 r180 top
R60 "100" GEN_R_0402 75.868,77.55 r180 top
R61 "100k" GEN_R_0402 67.95,71.375 r180 top
R62 "100" GEN_R_0402 77.668,77.55 r180 top
R63 "100" GEN_R_0402 79.468,77.55 r180 top
R64 "100" GEN_R_0402 81.257,74.8 r90 top
R66 "10K" GEN_R_0402 57.3,32 r270 bottom
R67 "1K" GEN_R_0402 2.2,49.75 r270 top
R68 "0" GEN_R_0201 79.575,16.625 r270 top
R69 "0" GEN_R_0201 78.875,16.625 r270 top
R70 "0" GEN_R_0201 79.575,16.625 r270 bottom
R71 "0" GEN_R_0201 78.875,16.625 r270 bottom
R72 "0" GEN_R_0201 78.075,16.625 r270 top
R73 "0" GEN_R_0201 77.375,16.625 r270 top
R74 "0" GEN_R_0201 78.075,16.625 r270 bottom
R75 "0" GEN_R_0201 77.375,16.625 r270 bottom
R76 "0" GEN_R_0201 76.575,16.625 r270 top
R77 "0" GEN_R_0201 75.875,16.625 r270 top
R78 "0" GEN_R_0201 76.575,16.625 r270 bottom
R79 "0" GEN_R_0201 75.875,16.625 r270 bottom
R80 "0" GEN_R_0201 75.075,16.625 r270 top
R81 "0" GEN_R_0201 74.375,16.625 r270 top
R82 "0" GEN_R_0201 75.075,16.625 r270 bottom
R83 "0" GEN_R_0201 74.375,16.625 r270 bottom
R84 "49.9" GEN_R_0402 61.625,23.825 r270 bottom
R85 "49.9" GEN_R_0402 61.625,24.725 r90 top
R86 "0" GEN_R_0402 62.075,15.5 r0 bottom
R87 "0.01" GEN_R_0603 50.725,13.35 r180 bottom
R88 "0" GEN_R_0402 90.475,69.3 r0 top
R89 "10K" GEN_R_0402 91.9,80.525 r270 top
R90 "10K" GEN_R_0402 95.2,75.675 r0 top
R91 "10K" GEN_R_0402 95.2,76.625 r0 top
R92 "1K" GEN_R_0402 95.2,79.5 r180 top
R93 "1K" GEN_R_0402 93.025,74.2 r0 bottom
R94 "1K" GEN_R_0402 95.2,74.725 r180 top
R95 "0.01" GEN_R_0603 77.75,28.9 r0 bottom
R97A "1K" GEN_R_0402 43.075,30.15 r90 bottom (schematic designator R97)
R97B "1K" GEN_R_0402 43.075,50.65 r90 bottom (schematic designator R97)
R97C "1K" GEN_R_0402 43.075,71.15 r90 bottom (schematic designator R97)
R97D "1K" GEN_R_0402 43.075,91.625 r90 bottom (schematic designator R97)
R98A "1K" GEN_R_0402 44.025,30.15 r270 bottom (schematic designator R98)
R98B "1K" GEN_R_0402 44.025,50.65 r270 bottom (schematic designator R98)
R98C "1K" GEN_R_0402 44.025,71.15 r270 bottom (schematic designator R98)
R98D "1K" GEN_R_0402 44.025,91.625 r270 bottom (schematic designator R98)
R101 "10K" GEN_R_0402 85.1,36.5 r180 bottom
R102 "10K" GEN_R_0402 85.1,35.4 r180 bottom
R103 "10K" GEN_R_0402 95.5,50.8 r90 top
R104 "0.1" GEN_R_0402 96,24.5 r90 top
R105 "100k" GEN_R_0402 95.675,87.4 r180 top
R106 "0" GEN_R_0402 96.175,69.775 r180 top
R107 "0" GEN_R_0402 96.175,70.775 r180 top
R108 "0" GEN_R_0402 96,52.4 r180 top
R109 "0" GEN_R_0402 96,53.5 r180 top
R110 "10K" GEN_R_0402 95.5,55.1 r270 top
R111 "1K" GEN_R_0402 93.025,73.225 r0 bottom
R112 "0.01" GEN_R_0603 106.325,63.55 r270 top
R113 "57.6k" GEN_R_0402 102.95,66.9 r0 top
R114 "10K" GEN_R_0402 99.9,65.9 r0 top
R115 "10K" GEN_R_0402 100.2,63.9 r270 bottom
R116 "0.01" GEN_R_0603 96,59.55 r90 top
R117 "0.1" GEN_R_0402 47.125,83.5 r0 top
R1025A "30" GEN_R_0603 28.5,18 r0 top (schematic designator R1025)
R1025B "30" GEN_R_0603 28.5,38.5 r0 top (schematic designator R1025)
R1025C "30" GEN_R_0603 28.5,59 r0 top (schematic designator R1025)
R1025D "30" GEN_R_0603 28.5,79.5 r0 top (schematic designator R1025)
R1026A "10" GEN_R_0603 25.5,18 r0 top (schematic designator R1026)
R1026B "10" GEN_R_0603 25.5,38.5 r0 top (schematic designator R1026)
R1026C "10" GEN_R_0603 25.5,59 r0 top (schematic designator R1026)
R1026D "10" GEN_R_0603 25.5,79.5 r0 top (schematic designator R1026)
R1027A "10" GEN_R_0603 28.3,30.7 r0 top (schematic designator R1027)
R1027B "10" GEN_R_0603 28.3,51.2 r0 top (schematic designator R1027)
R1027C "10" GEN_R_0603 28.3,71.7 r0 top (schematic designator R1027)
R1027D "10" GEN_R_0603 28.3,92.2 r0 top (schematic designator R1027)
R1028A "300K" GEN_R_0402 18.2,29 r0 top (schematic designator R1028)
R1028B "300K" GEN_R_0402 18.2,49.5 r0 top (schematic designator R1028)
R1028C "300K" GEN_R_0402 18.2,70 r0 top (schematic designator R1028)
R1028D "300K" GEN_R_0402 18.2,90.5 r0 top (schematic designator R1028)
R1029A "680K" GEN_R_0402 20.05,29 r0 top (schematic designator R1029)
R1029B "680K" GEN_R_0402 20.05,49.5 r0 top (schematic designator R1029)
R1029C "680K" GEN_R_0402 20.05,70 r0 top (schematic designator R1029)
R1029D "680K" GEN_R_0402 20.05,90.5 r0 top (schematic designator R1029)
R1030A "TBD" GEN_R_0402 16.35,29 r0 top (schematic designator R1030)
R1030B "TBD" GEN_R_0402 16.35,49.5 r0 top (schematic designator R1030)
R1030C "TBD" GEN_R_0402 16.35,70 r0 top (schematic designator R1030)
R1030D "TBD" GEN_R_0402 16.35,90.5 r0 top (schematic designator R1030)
R1031A "20k" GEN_R_0402 21.9,29 r180 top (schematic designator R1031)
R1031B "20k" GEN_R_0402 21.9,49.5 r180 top (schematic designator R1031)
R1031C "20k" GEN_R_0402 21.9,70 r180 top (schematic designator R1031)
R1031D "20k" GEN_R_0402 21.9,90.5 r180 top (schematic designator R1031)
R1032A "0" GEN_R_0402 21.45,30.425 r270 top (schematic designator R1032)
R1032B "0" GEN_R_0402 21.45,50.925 r270 top (schematic designator R1032)
R1032C "0" GEN_R_0402 21.45,71.425 r270 top (schematic designator R1032)
R1032D "0" GEN_R_0402 21.45,91.925 r270 top (schematic designator R1032)
R1035A "10" GEN_R_0603 31.5,18 r180 top (schematic designator R1035)
R1035B "10" GEN_R_0603 31.5,38.5 r180 top (schematic designator R1035)
R1035C "10" GEN_R_0603 31.5,59 r180 top (schematic designator R1035)
R1035D "10" GEN_R_0603 31.5,79.5 r180 top (schematic designator R1035)
R1036A "49.9" GEN_R_0402 17.75,30.4 r90 top (schematic designator R1036)
R1036B "49.9" GEN_R_0402 17.75,50.9 r90 top (schematic designator R1036)
R1036C "49.9" GEN_R_0402 17.75,71.4 r90 top (schematic designator R1036)
R1036D "49.9" GEN_R_0402 17.75,91.9 r90 top (schematic designator R1036)
R1037A "TBD" GEN_L_0402 20.475,30.425 r270 top (schematic designator R1037)
R1037B "TBD" GEN_L_0402 20.475,50.925 r270 top (schematic designator R1037)
R1037C "TBD" GEN_L_0402 20.475,71.425 r270 top (schematic designator R1037)
R1037D "TBD" GEN_L_0402 20.475,91.925 r270 top (schematic designator R1037)
R1038A "10K" GEN_R_0402 22.4,25 r270 bottom (schematic designator R1038)
R1038B "10K" GEN_R_0402 22.4,45.5 r270 bottom (schematic designator R1038)
R1038C "10K" GEN_R_0402 22.4,66 r270 bottom (schematic designator R1038)
R1038D "10K" GEN_R_0402 22.4,86.5 r270 bottom (schematic designator R1038)
R1039A "10K" GEN_R_0402 28.775,25 r270 bottom (schematic designator R1039)
R1039B "10K" GEN_R_0402 28.775,45.5 r270 bottom (schematic designator R1039)
R1039C "10K" GEN_R_0402 28.775,66 r270 bottom (schematic designator R1039)
R1039D "10K" GEN_R_0402 28.775,86.5 r270 bottom (schematic designator R1039)
R1040A "10K" GEN_R_0402 21.5,25 r270 bottom (schematic designator R1040)
R1040B "10K" GEN_R_0402 21.5,45.5 r270 bottom (schematic designator R1040)
R1040C "10K" GEN_R_0402 21.5,66 r270 bottom (schematic designator R1040)
R1040D "10K" GEN_R_0402 21.5,86.5 r270 bottom (schematic designator R1040)
R1041A "10K" GEN_R_0402 27.875,25 r270 bottom (schematic designator R1041)
R1041B "10K" GEN_R_0402 27.875,45.5 r270 bottom (schematic designator R1041)
R1041C "10K" GEN_R_0402 27.875,66 r270 bottom (schematic designator R1041)
R1041D "10K" GEN_R_0402 27.875,86.5 r270 bottom (schematic designator R1041)
R1044A "30" GEN_R_0603 34.25,24.725 r0 top (schematic designator R1044)
R1044B "30" GEN_R_0603 34.25,45.225 r0 top (schematic designator R1044)
R1044C "30" GEN_R_0603 34.25,65.725 r0 top (schematic designator R1044)
R1044D "30" GEN_R_0603 34.25,86.225 r0 top (schematic designator R1044)
R1045A "30" GEN_R_0603 34.375,27.075 r90 top (schematic designator R1045)
R1045B "30" GEN_R_0603 34.375,47.575 r90 top (schematic designator R1045)
R1045C "30" GEN_R_0603 34.375,68.075 r90 top (schematic designator R1045)
R1045D "30" GEN_R_0603 34.375,88.575 r90 top (schematic designator R1045)
R1046A "100k" GEN_R_0402 37.75,28.325 r270 bottom (schematic designator R1046)
R1046B "100k" GEN_R_0402 37.75,48.825 r270 bottom (schematic designator R1046)
R1046C "100k" GEN_R_0402 37.75,69.325 r270 bottom (schematic designator R1046)
R1046D "100k" GEN_R_0402 37.75,89.825 r270 bottom (schematic designator R1046)
R1048A "909k" GEN_R_0402 35.65,30.625 r90 top (schematic designator R1048)
R1048B "909k" GEN_R_0402 35.65,51.125 r90 top (schematic designator R1048)
R1048C "909k" GEN_R_0402 35.65,71.625 r90 top (schematic designator R1048)
R1048D "909k" GEN_R_0402 35.65,92.125 r90 top (schematic designator R1048)
R1049A "909k" GEN_R_0402 33.225,23.05 r90 top (schematic designator R1049)
R1049B "909k" GEN_R_0402 33.225,43.55 r90 top (schematic designator R1049)
R1049C "909k" GEN_R_0402 33.225,64.05 r90 top (schematic designator R1049)
R1049D "909k" GEN_R_0402 33.225,84.55 r90 top (schematic designator R1049)
R1050A "90.9k" GEN_R_0402 41.35,29.7 r180 top (schematic designator R1050)
R1050B "90.9k" GEN_R_0402 41.35,50.2 r180 top (schematic designator R1050)
R1050C "90.9k" GEN_R_0402 41.35,70.7 r180 top (schematic designator R1050)
R1050D "90.9k" GEN_R_0402 41.35,91.2 r180 top (schematic designator R1050)
R1051A "90.9k" GEN_R_0402 41.325,28.775 r0 top (schematic designator R1051)
R1051B "90.9k" GEN_R_0402 41.325,49.275 r0 top (schematic designator R1051)
R1051C "90.9k" GEN_R_0402 41.325,69.775 r0 top (schematic designator R1051)
R1051D "90.9k" GEN_R_0402 41.325,90.275 r0 top (schematic designator R1051)
R1052A "2K" GEN_R_0402 35.875,26.9 r270 top (schematic designator R1052)
R1052B "2K" GEN_R_0402 35.875,47.4 r270 top (schematic designator R1052)
R1052C "2K" GEN_R_0402 35.875,67.9 r270 top (schematic designator R1052)
R1052D "2K" GEN_R_0402 35.875,88.4 r270 top (schematic designator R1052)